# KiCad board dendy.kicad_pcb (continued)
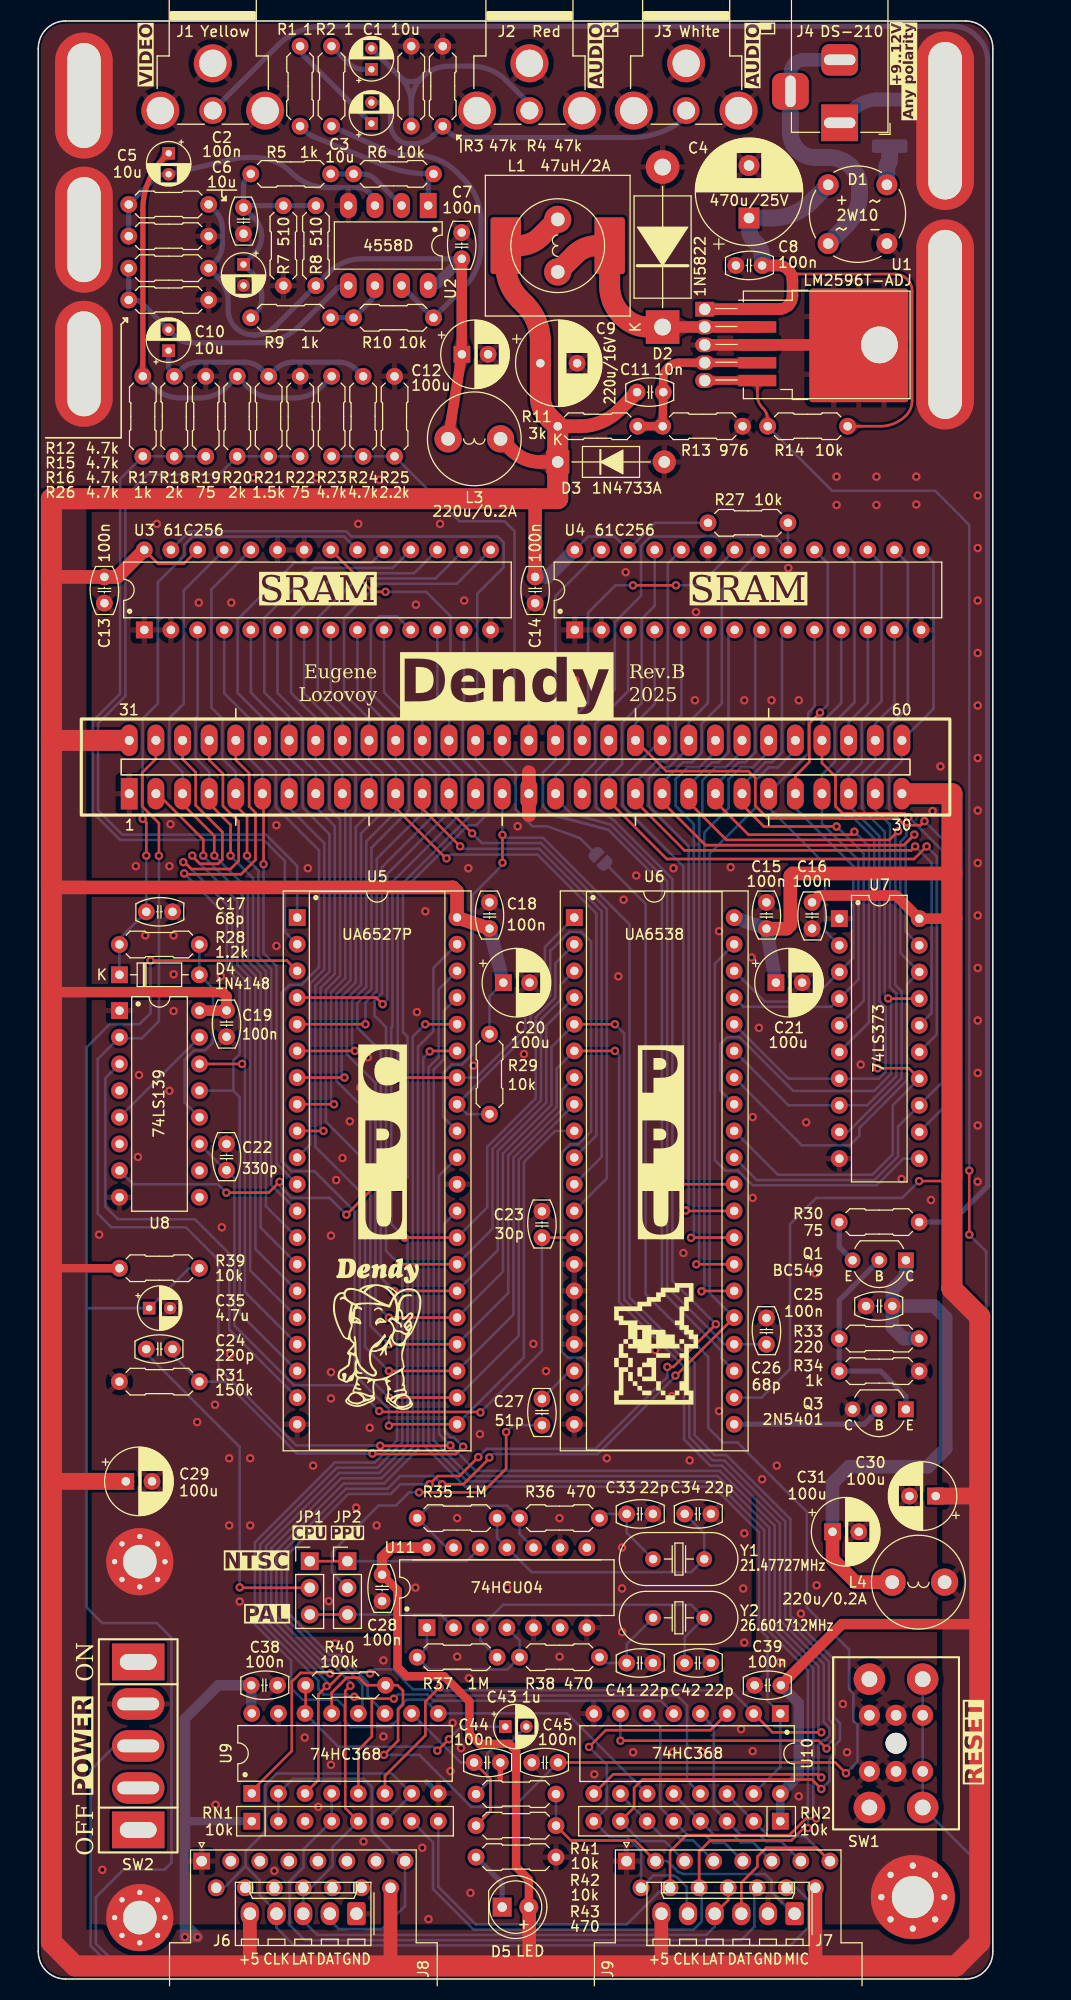
[diagram p0: board, top side]
## Nets
+5V: C9.1 C11.1 C13.2 C14.2 C15.2 C16.2 C18.2 C19.2 C20.1 C21.1 C28.2 C29.1 C30.1 C38.2 C39.2 D3.1 D5.2 J5.30 J5.31 J6.5 J7.6 J8.15 J9.15 L1.2 L2.2 L3.1 L4.1 R11.1 R27.1 R29.1 R39.1 RN1.1 RN2.1 U3.26 U3.28 U4.26 U4.28 U5.40 U6.22 U6.40 U7.20 U8.16 U9.16 U10.16 U11.14
+5VA_1: C7.2 C12.1 L3.2 R8.1 R12.1 R16.1 U2.8
+5VA_2: C25.2 C31.1 L4.2 Q1.1 R33.2
GND: C2.1 C4.2 C6.2 C7.1 C8.2 C9.2 C12.2 C13.1 C14.1 C15.1 C16.1 C17.1 C18.1 C19.1 C20.2 C21.2 C22.1 C23.1 C25.1 C26.1 C28.1 C29.2 C30.2 C31.2 C33.1 C34.1 C35.2 C38.1 C39.1 C41.1 C42.1 C44.1 C45.1 D1.1 D2.2 D3.2 HOLE1.1 HOLE2.1 HOLE3.1 HOLE4.1 HOLE5.1 HOLE6.1 HOLE7.1 HOLE8.1 J1.2 J2.2 J3.2 J5.1 J5.16 J6.1 J7.2 J8.1 J9.1 Q3.3 R3.2 R4.2 R7.2 R13.1 R15.2 R19.2 R22.2 R25.2 R26.2 R31.1 R34.1 R43.2 SW1.1 SW2.1 U1.3 U2.4 U3.1 U3.2 U3.14 U3.22 U3.23 U4.1 U4.2 U4.14 U4.23 U5.20 U5.30 U6.14 U6.15 U6.16 U6.17 U6.20 U7.1 U7.10 U8.1 U8.8 U9.8 U9.15 U10.8 U11.5 U11.7 U11.9
/A0: J5.13 U3.21 U5.4 U6.12
/A1: J5.12 U3.10 U5.5 U6.11
/A2: J5.11 U3.9 U5.6 U6.10
/A3: J5.10 U3.8 U5.7
/A4: J5.9 U3.7 U5.8
/A5: J5.8 U3.6 U5.9
/A6: J5.7 U3.5 U5.10
/A7: J5.6 U3.4 U5.11
/A8: J5.5 U3.24 U5.12
/A9: J5.4 U3.3 U5.13
/A10: J5.3 U3.25 U5.14
/A11: J5.2 U5.15
/A12: J5.33 U5.16
/A13: J5.34 U5.17 U8.14
/A14: J5.35 U5.18 U8.13
/A15: U5.19 U8.3
/CLK21: JP1.1 JP2.1 U11.12
/CLK26: JP1.3 JP2.3 U11.2
/COMPOSITE: J1.1 R30.1
/CPUCLK: C24.2 R31.2 U5.29
/D0: J5.43 U3.13 U5.28 U6.2 U9.3 U10.13
/D1: J5.42 U3.12 U5.27 U6.3 U9.5 U10.5
/D2: J5.41 U3.11 U5.26 U6.4 U9.9 U10.11
/D3: J5.40 U3.15 U5.25 U6.5 U10.7
/D4: J5.39 U3.16 U5.24 U6.6 U10.9
/D5: J5.38 U3.17 U5.23 U6.7
/D6: J5.37 U3.18 U5.22 U6.8
/D7: J5.36 U3.19 U5.21 U6.9
/J1CLK: J6.4 J8.9 J9.14 RN1.6 U9.7
/J1D0: J6.2 J8.8 RN1.2 U9.2
/J1D1: J9.13 RN1.4 U9.4
/J2CLK: J7.5 J9.9 RN2.8 U10.3
/J2D0: J7.3 J9.8 RN2.2 U10.14
/J2D1: J9.7 RN2.3 U10.4
/J2D2: J9.6 RN2.4 U10.12
/J2D3: J9.5 RN2.5 U10.6
/J2D4: J9.4 RN2.6 U10.10
/J2MIC: J7.1 J9.2 R41.1 R42.1
/M2: J5.32 U5.31 U8.2 U9.6 U10.2
/NPA13: J5.49 U9.11
/OUT0: J6.3 J7.4 J8.12 J9.12 RN1.5 U5.39
/OUT1: J9.11 RN1.7 U5.38
/OUT2: J9.10 RN1.8 U5.37
/PA0: J5.25 U4.10 U7.2
/PA1: J5.24 U4.9 U7.5
/PA2: J5.23 U4.8 U7.6
/PA3: J5.22 U4.7 U7.9
/PA4: J5.21 U4.21 U7.19
/PA5: J5.20 U4.5 U7.16
/PA6: J5.19 U4.25 U7.15
/PA7: J5.50 U4.4 U7.12
/PA8: J5.51 U4.24 U6.30
/PA9: J5.52 U4.6 U6.29
/PA10: J5.53 U6.28
/PA11: J5.54 U6.27
/PA12: J5.55 U6.26
/PA13: J5.56 U6.25 U9.12
/PAD0: J5.26 U4.19 U6.38 U7.3
/PAD1: J5.27 U4.18 U6.37 U7.4
/PAD2: J5.28 U4.17 U6.36 U7.7
/PAD3: J5.29 U4.16 U6.35 U7.8
/PAD4: J5.60 U4.15 U6.34 U7.18
/PAD5: J5.59 U4.13 U6.33 U7.17
/PAD6: J5.58 U4.12 U6.32 U7.14
/PAD7: J5.57 U4.11 U6.31 U7.13
/PPUCLK: C27.2 U6.18
/R/~{W}: J5.14 U3.27 U5.34 U6.1
/SND1: R20.2 R21.2 R22.1 U5.1
/SND2: R17.2 R18.2 R19.1 U5.2
/SND_I: J5.45 JP3.1
/SND_L: C3.2 J3.1 R4.1
/SND_O: J5.46 R23.2 R24.2 R25.1
/SND_R: C1.2 J2.1 R3.1
/VA10: J5.18 U4.3
/VOUT: Q3.2 U6.21
/~{IRQ}: J5.15 J9.3 RN2.7 U5.32
/~{NMI}: R29.2 U5.33 U6.19
/~{OE1}: U5.36 U9.1
/~{OE2}: U5.35 U10.1 U10.15
/~{PPUSEL}: C22.2 C23.2 U6.13 U8.11
/~{PRD}: C26.2 J5.17 U4.22 U6.24
/~{PWR}: J5.47 U4.27 U6.23
/~{RAMSEL}: C17.2 D4.1 R28.1 U3.20
/~{RESET}: C35.1 R39.2 SW1.2 U5.3
/~{ROMSEL}: J5.44 U8.7
/~{VRAMCS}: J5.48 R27.2 U4.20
Net-(C1-Pad1): C1.1 R2.1
Net-(C2-Pad2): C2.2 C6.1 R5.2 R7.1 R8.2 R9.2
Net-(C3-Pad1): C3.1 R1.1
Net-(C5-Pad1): C5.1 R17.1 R20.1 R23.1
Net-(C10-Pad1): C10.1 R18.1 R21.1 R24.1
Net-(C33-Pad2): C33.2 R36.2 Y1.2
Net-(C34-Pad2): C34.2 R35.1 U11.11 Y1.1
Net-(C41-Pad2): C41.2 R38.1 Y2.2
Net-(C42-Pad2): C42.2 R37.2 U11.3 Y2.1
Net-(C43-Pad2): C43.2 R41.2
Net-(D1-+): C4.1 C8.1 D1.3 R14.2 U1.1
Net-(D1-Pad2): D1.2 F1.2
Net-(D1-Pad4): D1.4 J4.2 J4.3
Net-(D2-K): D2.1 L1.1 L2.1 U1.2
Net-(D4-A): D4.2 R28.2 U8.12
Net-(D5-K): D5.1 R43.1
Net-(F1-Pad1): F1.1 J4.1
Net-(JP1-C): C24.1 JP1.2
Net-(JP2-C): C27.1 JP2.2
Net-(JP3-B): C45.2 JP3.2 R40.1 U9.13
Net-(Q1-B): Q1.2 Q3.1 R33.1 R34.2
Net-(Q1-E): Q1.3 R30.2
Net-(R1-Pad2): R1.2 R6.1 U2.1
Net-(R10-Pad1): R2.2 R10.1 U2.7
Net-(R35-Pad2): R35.2 R36.1 U11.10 U11.13
Net-(R37-Pad1): R37.1 R38.2 U11.1 U11.4
Net-(SW2-B): R14.1 SW2.2 U1.5
Net-(U1-FB): C11.2 R11.2 R13.2 U1.4
Net-(U2A-+): C5.2 R12.2 R15.1 U2.3
Net-(U2A--): R5.1 R6.2 U2.2
Net-(U2B-+): C10.2 R16.2 R26.1 U2.5
Net-(U2B--): R9.1 R10.2 U2.6
Net-(U6-ALE): U6.39 U7.11
Net-(U8A-O1): U8.5 U8.15
Net-(U9-I4): C44.2 R42.2 U9.10
Net-(U9-I6): C43.1 R40.2 U9.14

Pads without a net: J8 2 3 4 5 6 7 10 11 13 14; RN1 3; SW2 3; U8 4 6 9 10; U11 6 8

## Via types
v1: diameter 0.8, hole 0.4, Top to Bottom, 253 vias

## Routing (per net, layer and track width the routed paths; a pad name or vN(x,y) marks a point on that pad's centre or on a via; arc(x,y) is an arc through that point)
+5V: length 818.6
  Top w0.25: v1(83.96,76) 86.6,76 87.1,76.5 ; U3.28 11.42,134.8 13.86,134.8 U3.26
  Top w0.8: C28.2 34.25,37.03 34.25,29.7 35.11,28.84 38.7,28.84 41.1,26.43 41.1,23.35 42.05,22.4 44.9,22.4 45.55,21.75 45.55,10.67 46.77,9.46 D5.2 ; 46.77,1.28 46.8,1.25 ; 1.25,67.7 R39.1
  Top w1: 59.4,1.35 59.5,1.25 ; 87.1,101 U7.20 81.78,103.2 74.41,103.2 C16.2 ; U8.16 17.93,92.24 ; C28.2 32.78,40.18 33.69,41.09 U11.14 ; C39.2 76.61,33.8 89.75,33.8 ; 1.25,94 17.54,94 17.94,93.6 C19.2
  Top w1.3: R11.1 51.67,147.9 arc(53.67,148.3) 55.35,149.42 C11.1 ; 33.83,1.31 33.83,1.32 ; L3.1 45.16,145.6 arc(46.38,144.79) 47.82,144.5 D3.1 ; J8.15 33.58,1.31 ; C14.2 47.36,140.94 47.3,141 ; D5.2 46.8,6.81 46.8,1.25 ; C18.2 U5.40 39.92,103.58 39.53,103.98 1.27,103.98 1.25,104 ; 1.25,133.55 C13.2 7.53,133.55 U3.28 ; C15.2 71.35,100.05 71.7,100.4 71.7,105.1 71.9,105.3 87,105.3 87.1,105.4 ; J9.15 74.08,1.28 ; 74.34,1.28 74.3,1.25 ; J7.6 59.4,1.35 ; J6.5 20.17,1.32
  Top w1.6: 1.25,46.9 1.75,47.4 C29.1 ; C30.1 89.75,46
  Top w2: L2.2 47.88,165.97 arc(46.92,165.33) 45.79,165.1 arc(44.93,164.74) 44.57,163.88 44.57,163.22 arc(44.91,161.48) 45.9,160 46.4,159.5 arc(47.48,157.88) 47.86,155.97 C9.1 47.86,150.72 arc(48.08,149.64) 48.69,148.73 R11.1 D3.1 49.52,141.02 49.5,141 1.25,141 1.25,3.5 3.5,1.25 87.5,1.25 89.75,3.5 89.75,63.1 87.1,65.75 87.1,112.9 82.6,112.9 ; 1.25,117.98 8.45,117.98
  Bottom w0.25: C20.1 43.01,93.58 R29.1 ; 66.34,55.38 68.94,55.38 71.66,58.1 71.66,71.9 74.16,74.4 82.36,74.4 v1(83.96,76) ; U4.28 52.42,137.4 54.94,137.4 U4.26 58.8,138.7 R27.1
  Bottom w0.8: RN1.1 14.05,15.03 14.03,15.05 ; U10.16 RN2.1
  Bottom w1: 13.98,5.2 13.98,24.8 17.16,27.98 C38.2 20.3,25.57 20.35,25.52 ; 13.98,5.2 v1(13.98,4) v1(15.18,4) 13.98,5.2 ; 17.93,92.24 C19.2 ; C39.2 72.5,26.27 72.5,19.37 70.79,17.66
  Bottom w1.3: C21.1 C15.2 66.34,101.1 ; U4.28 48.57,133.55 C14.2 ; C18.2 C20.1
+5VA_1: length 59.3
  Top w1: 40.36,154.78 C7.2 ; 40.38,154.74 L3.2
  Bottom w0.5: R12.1 16.89,168.38 arc(17.37,167.66) 17.54,166.81 17.54,165.17 arc(17.37,164.32) 16.89,163.6 R16.1 17.17,162.02 arc(17.86,160.99) 18.1,159.78 18.1,158.99 arc(18.28,158.08) 18.8,157.3 arc(19.58,156.78) 20.49,156.6 20.64,156.6 arc(21.69,156.81) 22.58,157.4 R8.1 27.74,162.57 arc(29.16,163.52) 30.83,163.85 C7.2
  Bottom w1: U2.8 37.5,161.31 arc(37.8,161.36) 38.05,161.53 C7.2
+5VA_2: length 53.9
  Top w1.3: C31.1 75.72,39.98 77.9,37.8 L4.2
  Bottom w1.3: C25.2 85.4,64.1 86.5,63 86.5,50.5 84.8,48.8 77.3,48.8 75.72,47.22 C31.1 ; C25.2 81.41,65.66 82.7,66.95 Q1.1 ; C25.2 81.41,62.09 82.5,61 R33.2
GND: length 23.9
  Top w0.5: C44.1 44.05,19.06
  Top w1.1: U1.3 U1.3
  Top w1.3: 46.77,110.85 J5.16 46.77,114.95
  Bottom w0.25: 17.93,79.54 17.94,79.55
  Bottom w0.5: U9.8 37,18.81
  vias: v1(5.8,70.9) v1(6.1,10.4) v1(9.3,106) v1(9.5,78.3) v1(9.6,86.1) v1(10.2,99.4) v1(11.3,138.6) v1(12.5,106) v1(12.5,84.6) v1(12.6,110) v1(12.9,99.4) v1(12.9,95.7) v1(12.9,92.2) v1(15.15,53.05) v1(15.3,131.1) v1(16.85,54.7) v1(16.9,16.6) v1(17.4,95.5) v1(17.5,71.6) v1(18.2,49.6) v1(18.2,43.2) v1(18.3,59.5) v1(18.4,131.1) v1(19.2,35.95) v1(20.2,49.6) v1(20.2,43.2) v1(20.5,143) v1(22.5,10.3) v1(22.7,109.9) v1(22.7,98.4) v1(25.4,23) v1(25.7,105.8) v1(26.2,48.9) v1(26.5,143) v1(26.7,16.4) v1(27.7,36) v1(27.9,70.8) v1(27.9,57.8) v1(27.9,55.3) v1(27.9,20.4) v1(28.3,31.95) v1(28.4,76.1) v1(29,78.2) v1(29.7,81.7) v1(30.3,44.9) v1(30.5,138.6) v1(30.7,84.9) v1(31,13.1) v1(31.4,87.8) v1(31.6,52.5) v1(32.25,43.2) v1(32.5,142.8) v1(32.9,30.35) v1(32.9,23.1) v1(35.9,121.3) v1(35.95,37.28) v1(36,130.9) v1(36.1,92.1) v1(36.6,12.5) v1(36.9,101.7) v1(37.2,5.7) v1(38.3,138.6) v1(39.3,19.8) v1(39.5,24.4) v1(39.93,43.9) v1(39.93,30.7) v1(40.3,22) v1(40.6,131.3) v1(41,105.8) v1(41.05,28.65) v1(41.2,8.2) v1(41.5,87) v1(42.1,51.9) v1(43.3,121) v1(44.7,37.28) v1(45.7,109.8) v1(46.3,88.1) v1(47.2,60.5) v1(47.9,121) v1(48.4,57.9) v1(49.69,43.9) v1(49.69,30.7) v1(51.2,123.7) v1(53,19.5) v1(54.2,49.6) v1(55.3,95.5) v1(55.65,41.1) v1(55.65,37.2) v1(55.65,33.05) v1(55.8,102.8) v1(56,134) v1(56.7,21.6) v1(57,105.1) v1(58.8,59.9) v1(60.4,55.5) v1(60.55,105.8) v1(60.5,21.6) v1(61.5,69.15) v1(62.1,49.4) v1(62.6,121.8) v1(62.7,130.2) v1(63.3,21.6) v1(64.9,99.8) v1(64.9,54.1) v1(66,105.9) v1(67,23.8) v1(67.2,37.2) v1(67.3,121.8) v1(67.3,42.45) v1(67.3,32.05) v1(68,97.3) v1(68.1,82.1) v1(68.1,74.4) v1(68.1,21.7) v1(68.7,90.6) v1(69,47.6) v1(69.9,121.8) v1(70.4,48.9) v1(70.7,30.2) v1(71.5,134.4) v1(72.5,121.8) v1(72.5,17.4) v1(72.7,34.8) v1(73.2,81.6) v1(74.1,67.2) v1(74.2,37.5) v1(76.1,143.1) v1(76.1,140.4) v1(76.7,26.2) v1(77.1,21.6) v1(78.4,87.1) v1(79.9,143.1) v1(79.9,140.4) v1(82.3,76.2) v1(83.7,143.1) v1(83.7,140.45) v1(85.1,74.2) v1(85.25,111.25) v1(86,115.5) v1(89.56,141.3) v1(89.56,136.3) v1(89.56,131.3) v1(89.56,126.3) v1(89.56,121.3) v1(89.56,116.3) v1(89.56,111.3) v1(89.56,106.3) v1(89.56,101.3) v1(89.56,96.3) v1(89.56,91.3) v1(89.56,86.3) v1(89.56,81.3) v1(89.55,75.95)
/A0: length 113.7
  Top w0.25: v1(32.82,92.85) 32.19,93.48 U5.4 ; v1(33.1,132.13) 31.88,132.13 U3.21 ; J5.13 39.15,111.34 v1(41.36,109.13)
  Bottom w0.25: U6.12 54.2,76.26 54.2,101.91 47.91,108.2 42.29,108.2 v1(41.36,109.13) ; v1(33.1,132.13) 36.97,132.13 39.3,129.8 39.3,121.5 37.9,120.1 37.9,116.2 39.15,114.95 39.15,111.14 33.26,105.25 33.26,93.29 v1(32.82,92.85)
/A1: length 97.5
  Top w0.25: v1(31.19,90.94) U5.5 ; J5.12 36.61,111.49 v1(40.21,107.89)
  Bottom w0.25: v1(31.19,90.94) 31.19,93.02 32.26,94.1 32.26,106.7 36.61,111.05 36.61,114.94 35.35,116.2 35.35,120.15 32.96,122.54 U3.10 ; v1(40.21,107.89) 40.45,107.65 47.76,107.65 53.7,101.71 53.7,78.3 U6.11
/A2: length 98
  Top w0.25: J5.11 34.07,111.53 38.85,106.75 v1(38.92,106.75) ; v1(30.19,88.4) U5.6
  Bottom w0.25: U3.9 30.42,122.48 32.8,120.1 32.8,116.2 34.07,114.93 34.07,111.16 31.26,108.35 31.26,94.51 29.91,93.16 29.91,88.67 v1(30.19,88.4) ; v1(38.92,106.75) 39.27,107.1 47.6,107.1 53.2,101.5 53.2,80.34 U6.10
/A3: length 50
  Top w0.25: v1(29.19,85.86) U5.7
  Bottom w0.25: U3.8 27.88,122.52 30.3,120.1 30.3,116.1 31.76,114.64 31.76,111.21 30.26,109.72 30.26,94.92 28.91,93.57 28.91,86.13 v1(29.19,85.86)
/A4: length 51
  Top w0.25: v1(28.19,83.32) U5.8
  Bottom w0.25: v1(28.19,83.32) 27.91,83.59 27.91,93.99 29.26,95.34 29.26,112.68 28.99,112.95 28.99,114.95 27.72,116.22 27.72,120.08 25.34,122.46 U3.7
/A5: length 53.2
  Top w0.25: v1(27.19,80.78) U5.9
  Bottom w0.25: v1(27.19,80.78) 26.91,81.05 26.91,94.4 28.26,95.75 28.26,109.8 26.45,111.62 26.45,114.95 25.2,116.2 25.2,120.1 22.8,122.5 U3.6
/A6: length 54.2
  Bottom w0.25: U3.5 20.26,122.54 22.7,120.1 22.7,116.28 23.91,115.07 23.91,111.55 27.26,108.19 27.26,96.17 25.91,94.82 25.91,79.47 U5.10
/A7: length 55.7
  Top w0.25: v1(21.47,106.19) 21.47,112.85 21.37,112.95
  Bottom w0.25: U3.4 17.72,122.48 20.1,120.1 20.1,116.27 21.37,115 21.37,112.95 ; v1(21.47,106.19) 21.47,97.73 22.71,96.49 22.71,77.67 U5.11
/A8: length 67.9
  Top w0.25: v1(19.9,107) 19.9,110.7 18.83,111.77 J5.5
  Bottom w0.25: U5.12 22.2,75.64 22.2,96.19 20.97,97.42 20.97,105.59 19.9,106.67 v1(19.9,107) ; 18.83,112.95 18.83,114.96 17.55,116.24 17.55,120.05 16.5,121.1 16.5,132.36 U3.24
/A9: length 61.9
  Top w0.25: J5.4 16.29,111.97 18.33,109.94 v1(18.33,107)
  Bottom w0.25: v1(18.33,107) 20.47,104.85 20.47,97.21 21.7,95.99 21.7,73.6 U5.13 ; 16.29,112.95 16.29,115.01 15,116.3 15,120.1 15.18,120.28 U3.3
/A10: length 75.2
  Top w0.25: v1(16.78,107) 16.78,108.89 13.75,111.91 J5.3
  Bottom w0.25: U5.14 21.2,71.56 21.2,95.78 19.97,97.01 19.97,103.8 v1(16.78,107) ; J5.3 13.75,114.95 12.5,116.2 12.5,120.1 13.86,121.46 13.86,132.26 U3.25
/A11: length 53
  Top w0.25: v1(15.73,107) 15.73,108.54 11.36,112.9 J5.2
  Bottom w0.25: U5.15 20.7,69.52 20.7,95.57 19.47,96.8 19.47,103.21 15.73,106.95 v1(15.73,107)
/A12: length 64.5
  Top w0.25: J5.33 13.75,116.2 15,114.95 15,111.8 17.55,109.25 17.55,106.63 17.14,106.23 15.41,106.23 14.68,106.95 v1(14.68,107)
  Bottom w0.25: U5.16 20.2,67.48 20.2,95.37 18.97,96.59 18.97,102.66 14.68,106.95 v1(14.68,107)
/A13: length 73.3
  Top w0.25: U8.14 v1(19.43,87.16) ; v1(13.83,106.38) 13.92,106.38 14.58,105.73 18.33,105.73 19.1,106.5 19.1,110.24 17.6,111.74 17.6,114.8 16.29,116.11 J5.34
  Bottom w0.25: v1(13.83,106.38) 13.92,106.38 18.47,101.83 18.47,96.38 19.7,95.16 19.7,87.43 v1(19.43,87.16) 19.7,86.89 19.7,65.44 U5.17
/A14: length 75.1
  Top w0.25: v1(13.91,105.31) 13.99,105.23 19.33,105.23 20.7,106.6 20.7,111.1 20.1,111.7 20.1,114.85 18.83,116.12 J5.35
  Bottom w0.25: 18.6,84.6 18.6,87.5 19.2,88.1 19.2,94.95 17.97,96.18 17.97,101.23 13.91,105.3 v1(13.91,105.31) ; 18.6,84.6 19.2,84 19.2,63.4 U5.18 ; 18.6,84.6 18.58,84.62 U8.13
/A15: length 44.2
  Bottom w0.25: U5.19 18.2,61.86 18.2,69.1 14.93,72.37 7.6,72.37 6.4,73.57 6.4,85.82 U8.3
/CLK21: length 16.8
  Top w0.25: JP1.1 JP2.1
  Bottom w0.25: U11.12 40.84,39.8 JP2.1
/CLK26: length 14.2
  Top w0.25: JP1.3 JP2.3
  Bottom w0.25: U11.2 38.33,34.72 JP2.3
/COMPOSITE: length 193.9
  Bottom w0.5: R30.1 87.07,72.1 90.5,75.53 90.5,182.75 arc(90.27,183.9) 89.62,184.87 89.37,185.12 arc(88.4,185.77) 87.25,186 27.14,186 arc(24.85,185.54) 22.91,184.25 J1.1
/CPUCLK: length 56.3
  Top w0.25: v1(40.5,50.7) 39.8,50 31.9,50 v1(31.85,50.05)
  Bottom w0.25: U5.29 38.7,71.94 38.7,52.2 39.3,51.6 39.6,51.6 v1(40.5,50.7) ; v1(31.85,50.05) 24.65,50.05 17.8,56.9 R31.2 12.79,59.46 C24.2
/D0: length 209
  Top w0.25: v1(31.63,29.11) 31.53,29.2 29.03,29.2 27.73,27.9 v1(27.5,27.9) 26.7,27.1 26.7,18.95 U9.3 ; v1(34.93,70.62) U5.28
  Bottom w0.25: U6.2 49.3,96.76 49.3,93.48 47.42,91.61 47.42,83.89 42.8,79.26 42.8,73.5 U5.28 ; v1(31.63,29.11) 32.02,29.5 33.8,29.5 35.7,27.6 37.35,27.6 37.95,27 60.9,27 61.85,26.05 61.85,18.93 U10.13 ; U3.13 40.58,121.48 39.15,120.05 39.15,116.2 40.4,114.95 40.4,111.14 33.76,104.5 33.76,90.71 33.65,90.6 33.65,71.9 v1(34.93,70.62) 35.2,70.35 35.2,50.89 32.51,48.2 28.68,48.2 21.7,41.22 21.7,34.14 22.64,33.19 27.5,28.34
/D1: length 198.5
  Top w0.25: U9.5 30.51,21.81 31.8,23.1 31.8,26.7 ; 31.8,26.7 v1(33.9,26.7) ; 31.8,26.7 30.31,26.7 v1(30.13,26.88) ; v1(34.43,68.08) U5.27
  Bottom w0.25: U3.12 38.04,121.52 36.61,120.09 36.61,116.09 37.9,114.8 37.9,111.04 32.76,105.9 32.76,93.89 32.05,93.17 32.05,91.75 33.15,90.65 33.15,69.36 v1(34.43,68.08) 34.7,67.81 34.7,51.09 32.31,48.7 28.47,48.7 21.15,41.38 21.15,33.98 26.7,28.43 26.7,27.6 27.2,27.1 29.43,27.1 29.65,26.88 v1(30.13,26.88) ; U5.27 43.3,71.46 43.3,79.06 47.92,83.68 47.92,91.4 49.8,93.28 49.8,94.72 U6.3 ; U10.5 59.36,26.5 37.7,26.5 37.1,27.1 34.3,27.1 v1(33.9,26.7)
/D2: length 200.6
  Top w0.25: v1(33.93,65.54) U5.26
  Bottom w0.25: U3.11 34.2,129.8 32.5,129.8 31.7,129 31.7,122.5 34.07,120.13 34.07,116.23 35.35,114.95 35.35,111.34 31.76,107.75 31.76,94.3 30.41,92.95 30.41,90.62 32.65,88.38 32.65,66.81 v1(33.93,65.54) 34.2,65.27 34.2,51.3 32.1,49.2 28.26,49.2 20.65,41.59 20.65,33.77 24.1,30.32 24.1,27.71 25.21,26.6 28.5,26.6 29.2,25.9 29.2,24.6 29.8,24 33.6,24 34.3,24.7 34.3,25.8 35.1,26.6 36.83,26.6 U9.9 50.4,25.3 U10.11 ; U6.4 48.42,90.81 48.42,83.47 43.8,78.85 43.8,69.42 U5.26
/D3: length 232
  Top w0.25: v1(75.15,21.95) 74.4,22.7 v1(55.5,22.7) ; v1(54.97,90.94) U6.5 ; v1(33.43,63) U5.25
  Bottom w0.25: v1(75.15,21.95) 75.15,22.18 75.92,22.96 75.92,24.15 75.38,24.7 75.38,30.22 71.2,34.39 71.2,43.59 65.39,49.4 64.27,49.4 62.06,51.61 62.06,58.51 55.86,64.71 55.86,90.05 v1(54.97,90.94) ; U5.25 44.3,67.38 44.3,78.64 48.92,83.27 48.92,88.77 U6.5 ; v1(55.5,22.7) U10.7 ; v1(33.43,63) 32.15,64.28 32.15,85.34 29.41,88.08 29.41,93.37 30.76,94.72 30.76,109.1 32.8,111.14 32.8,114.85 31.53,116.12 31.53,120.07 29.15,122.45 29.15,129.65 32.4,132.9 39.9,132.9 U3.15
/D4: length 234.6
  Top w0.25: U10.9 54.8,19.5 74.34,19.5 v1(74.65,19.2) ; U6.6 v1(54.97,88.4) ; v1(33.43,60.46) U5.24
  Bottom w0.25: U6.6 49.42,86.73 49.42,83.06 44.8,78.44 44.8,65.34 U5.24 ; v1(54.97,88.4) 55.36,88.01 55.36,64.5 61.56,58.3 61.56,51.4 64.06,48.9 65.19,48.9 70.7,43.39 70.7,34.19 74.88,30.01 74.88,24.49 75.42,23.94 75.42,23.18 74.97,22.73 74.8,22.73 74.38,22.3 74.38,19.47 v1(74.65,19.2) ; U3.16 37.86,133.4 30.4,133.4 26.65,129.65 26.65,122.45 28.99,120.11 28.99,116.11 30.25,114.85 30.25,111.18 29.76,110.7 29.76,95.13 28.41,93.78 28.41,85.54 31.65,82.3 31.65,62.24 v1(33.43,60.46)
/D5: length 132.4
  Top w0.25: v1(33.43,57.92) U5.23
  Bottom w0.25: U3.17 35.82,133.9 28.4,133.9 24.1,129.6 24.1,122.5 26.45,120.15 26.45,116.15 27.75,114.85 27.75,111.47 28.76,110.46 28.76,95.55 27.41,94.2 27.41,81.65 31.15,77.91 31.15,60.2 v1(33.43,57.92) ; U5.23 45.3,63.3 45.3,78.23 49.92,82.85 49.92,84.69 U6.7
/D6: length 136
  Top w0.25: v1(33.43,55.38) U5.22
  Bottom w0.25: U6.8 45.8,78.02 45.8,61.26 U5.22 ; U3.18 33.78,134.4 26.3,134.4 21.55,129.65 21.55,122.55 23.91,120.19 23.91,116.34 25.2,115.05 25.2,111.6 27.76,109.04 27.76,95.96 26.41,94.61 26.41,79.27 30.65,75.03 30.65,58.16 v1(33.43,55.38)
/D7: length 144.6
  Top w0.25: v1(33.43,52.7) 33.57,52.84 U5.21
  Bottom w0.25: U3.19 31.74,134.9 24.4,134.9 19,129.5 19,122.5 21.37,120.13 21.37,116.33 22.65,115.05 22.65,111.61 26.76,107.5 26.76,96.37 25.09,94.7 23.96,94.7 23.21,93.94 23.21,77.88 24.14,76.95 26.31,76.95 30.15,73.11 30.15,57.55 33.43,54.27 v1(33.43,52.7) ; U5.21 46.3,59.22 46.3,77.81 49.27,80.78 U6.9
/J1CLK: length 95.4
  Bottom w0.25: 19.76,10.74 17.71,8.69 J8.9 ; 19.76,10.74 19.76,12.16 21.65,14.05 21.65,18.5 22.72,19.58 33.69,19.58 U9.7 35.59,17.57 33.07,15.05 33.05,15.05 ; 19.76,10.74 21.1,9.4 21.1,8.01 22.71,6.4 22.71,4.89 24.4,3.2 71.7,3.2 73.4,4.9 73.4,7.54 72.25,8.69 J9.14
/J1D0: length 34.3
  Bottom w0.25: J6.2 27.79,5.61 28.65,4.75 32.75,4.75 34.97,6.97 J8.8 34.1,12.09 34.1,12.1 33.8,12.1 31.8,14.1 31.8,18.3 31.03,19.08 24.28,19.08 U9.2 22.89,15.05
/J1D1: length 63.5
  Bottom w0.25: U9.4 27.97,15.05 25.28,12.36 25.28,10.63 23.95,9.31 23.95,5.15 25.4,3.7 67,3.7 68.27,4.97 68.27,8.42 J9.13
/J2CLK: length 40.1
  Top w0.25: v1(52.5,22.1) 54.1,23.7 64.08,23.7 U10.3
  Bottom w0.25: 61.7,6.46 J7.5 61.83,6.34 61.83,8.76 60.89,9.69 60.5,9.87 58.64,9.87 J9.9 57.46,12.19 56.1,13.55 54.44,13.55 RN2.8 54.2,16.27 54.2,20.4 v1(52.5,22.1)
/J2D0: length 26.4
  Top w0.25: J9.8 74.19,12.5 69.4,12.5 68.55,11.65 68.55,10.71 67.02,9.18 J7.3
  Bottom w0.25: U10.14 65.66,17.57 RN2.2 69.63,13.6 73.09,13.6 J9.8
/J2D1: length 19.9
  Bottom w0.25: U10.4 64.4,24 64.4,16.29 RN2.3 66.99,13.7 68.8,13.7 69.4,13.1 70.82,13.1 J9.7
/J2D2: length 12.1
  Bottom w0.25: J9.6 68.16,13 66.98,13 66.28,13.7 64.45,13.7 RN2.4 60.58,17.57 U10.12
/J2D3: length 19.5
  Bottom w0.25: J9.5 65.42,12.97 64.33,12.97 63.6,13.7 61.91,13.7 RN2.5 59.3,16.31 59.3,24.02 U10.6
/J2D4: length 11.6
  Bottom w0.25: U10.10 55.5,17.57 RN2.6 59.44,13.64 60.86,13.64 61.3,13.2 62.42,13.2 J9.4
/J2MIC: length 29.8
  Top w0.25: R42.1 50.76,13.2 56.88,13.2 J9.2
  Bottom w0.25: J9.2 59.95,11.23 60.99,10.19 61.5,10 69.3,10 69.9,9.4 69.9,8.3 71.98,6.22 J7.1 ; R41.1 R42.1
/M2: length 233.5
  Top w0.25: v1(38.26,27.79) 36.9,26.43 36.9,23.2 33.05,19.35 U9.6 ; v1(39.28,50.82) 39.25,50.79 v1(32.59,50.79) ; v1(74.65,23.5) 69.98,23.5 U10.2 ; v1(11.5,106.99) 11.5,110.1 9.9,111.7 9.9,114.9 11.21,116.21 J5.32
  Bottom w0.25: v1(32.59,50.79) 32.21,50.79 32.17,50.82 24.58,50.82 17.16,58.24 17.16,68.5 14.06,71.6 6.96,71.6 5.66,72.9 5.66,87.62 U8.2 7.84,89.6 9.86,89.6 11.5,91.24 v1(11.5,106.99) ; v1(74.65,23.5) 74.38,23.77 74.38,29.8 70.2,33.98 70.2,43.18 64.98,48.4 41.71,48.4 v1(39.28,50.82) 38.2,51.91 38.2,76.52 U5.31 ; v1(38.26,27.79) 38.55,27.5 65.98,27.5 U10.2
/NPA13: length 131.1
  Top w0.25: v1(41.94,49.71) 40.13,47.9 38.08,47.9 v1(37.3,47.12) ; v1(64.59,62.37) 60.53,58.3 v1(59.96,58.3)
  Bottom w0.25: U9.11 31.4,26.95 31.4,28.24 28.77,30.87 27.79,30.87 23.7,34.97 23.7,40.36 29.54,46.2 33.6,46.2 34.53,47.12 v1(37.3,47.12) ; v1(41.94,49.71) 42.73,50.5 53.11,50.5 59.96,57.35 v1(59.96,58.3) ; J5.49 54.39,116.23 53.15,114.99 53.15,111.6 54.86,110.36 60.45,104.78 60.45,66.51 v1(64.59,62.37)
/OUT0: length 153.5
  Top w0.25: J9.12 65.77,7.51 J7.4 ; v1(29.75,27.93) 29.26,27.45 29.26,16.28 RN1.5
  Bottom w0.25: U5.39 37.66,96.3 37.66,90.26 36.2,88.79 36.2,50.44 32.96,47.2 29.12,47.2 22.7,40.78 22.7,34.55 27.38,29.87 28.16,29.87 29.75,28.28 v1(29.75,27.93) ; 30.51,15.05 RN1.5 28.06,12.58 28.06,10.76 25.99,8.69 J8.12 25.27,7.92 25.25,7.9 J6.3 25.25,5.55 26.6,4.2 63.7,4.2 64.48,4.98 J7.4
/OUT1: length 164.6
  Top w0.25: v1(73.36,14.37) 72.98,14.37 71.8,13.2 64.06,13.2 63.08,12.22 ; 63.08,12.22 63,12.14 ; 63.08,12.22 63,12.14 ; 63,12.14 J9.11
  Bottom w0.25: v1(73.36,14.37) 73.38,14.38 73.38,29.39 69.2,33.56 69.2,42.76 64.56,47.4 40.89,47.4 37.2,51.09 37.2,86.84 38.16,87.8 38.16,94.26 U5.38 ; J9.11 63.23,8.46 63.23,5.48 62.46,4.7 41.5,4.7 37.63,8.57 37.63,13.01 35.59,15.05
/OUT2: length 158.1
  Top w0.25: v1(74.15,15.29) 73.18,15.29 71.59,13.7 61.76,13.7 60.23,12.17 J9.10
  Bottom w0.25: 38.13,15.05 38.13,8.78 41.71,5.2 56.1,5.2 59.59,8.69 J9.10 ; U5.37 38.66,92.22 38.66,87.59 37.7,86.63 37.7,51.3 41.1,47.9 64.77,47.9 69.7,42.97 69.7,33.77 73.88,29.6 73.88,15.57 v1(74.15,15.29)
/PA0: length 34.6
  Bottom w0.25: U4.10 74,121.2 73.4,120.6 73.4,116.72 69.63,112.95 69.63,111.57 75,106.2 75,99.82 U7.2
/PA1: length 49.7
  Top w0.25: v1(76.1,109.78) 69.17,109.78 67.09,111.86 J5.24
  Bottom w0.25: v1(76.1,109.78) 76.11,109.78 78.69,107.2 78.69,93.16 U7.5 ; U4.9 70.9,127.94 70.9,116.85 69.95,115.9 69.32,115.9 67.09,113.67 J5.24
/PA2: length 55.9
  Top w0.25: J5.23 64.55,112.15 67.7,109 77.52,109 v1(77.8,109.28)
  Bottom w0.25: U4.8 68.35,127.93 68.35,116.84 67.41,115.9 66.75,115.9 65.9,115.05 65.89,115.05 64.55,113.71 J5.23 ; v1(77.8,109.28) 77.81,109.28 79.19,107.89 79.19,91.12 U7.6
/PA3: length 72.3
  Top w0.25: v1(81.96,109.33) 81.14,108.5 65.6,108.5 62.01,112.09 J5.22
  Bottom w0.25: v1(81.96,109.33) 81.69,109.05 81.69,94.68 82.31,94.06 82.31,85.8 77.19,80.68 U7.9 ; U4.7 65.8,127.92 65.8,116.83 64.87,115.9 64.22,115.9 62.01,113.69 J5.22
/PA4: length 66
  Top w0.25: v1(83.51,109.01) 82.51,108 63.6,108 59.47,112.13 J5.21
  Bottom w0.25: U4.21 65.16,132.36 65.16,121.5 63.25,119.59 63.25,116.82 62.33,115.9 61.45,115.9 59.47,113.92 J5.21 ; v1(83.51,109.01) 83.51,108.94 82.69,108.12 82.69,99.76 U7.19
/PA5: length 66.1
  Top w0.25: v1(83.59,107.88) 83.21,107.5 61.6,107.5 56.93,112.17 J5.20
  Bottom w0.25: U7.16 85.16,92.02 85.16,106.31 v1(83.59,107.88) ; J5.20 56.93,113.98 58.93,115.98 59.91,115.98 60.75,116.82 60.75,119.84 61.3,120.39 U4.5 60.96,128.16
/PA6: length 79.5
  Top w0.25: v1(84.69,107.88) 83.49,106.68 59.92,106.68 54.39,112.21 J5.19
  Bottom w0.25: U7.15 85.66,89.98 85.66,106.91 v1(84.69,107.88) ; J5.19 54.39,114.44 55.65,115.7 55.65,119.65 57.51,121.51 57.51,129.55 58.76,130.8 U4.25
/PA7: length 75.5
  Top w0.25: v1(84.48,110.29) 84.09,109.9 82.56,109.9 81.95,110.52 76.45,110.52 76.42,110.55 69.55,110.55 68.35,111.75 68.35,114.4 67.7,115.05 59.86,115.05 J5.50
  Bottom w0.25: U4.4 58.76,121.45 56.93,119.62 J5.50 ; U7.12 86.66,83.36 86.66,108.11 v1(84.48,110.29)
/PA8: length 70.4
  Top w0.25: 66.34,75.7 61.24,75.7 v1(61.23,75.69)
  Bottom w0.25: U4.24 60.01,134.83 60.01,118.65 55.7,114.34 55.7,111.77 61.5,105.97 61.5,75.96 v1(61.23,75.69)
/PA9: length 64.5
  Top w0.25: v1(61.73,73.2) 61.77,73.16 66.34,73.16
  Bottom w0.25: U4.6 63.84,121.54 62.01,119.71 62.01,117.31 60.1,115.4 59.25,115.4 58.2,114.35 58.2,111.7 62,107.9 62,73.47 v1(61.73,73.2)
/PA10: length 54.6
  Top w0.25: v1(62.23,70.6) 62.25,70.62 66.34,70.62
  Bottom w0.25: J5.53 64.55,116.94 63.01,115.4 61.89,115.4 60.75,114.26 60.75,111.75 62.5,110 62.5,70.87 v1(62.23,70.6)
/PA11: length 55.9
  Top w0.25: v1(62.73,68.08) 66.34,68.08
  Bottom w0.25: v1(62.73,68.08) 63,68.35 63,110.7 63.3,111 63.3,114.16 64.54,115.4 65.54,115.4 65.69,115.55 65.69,115.55 67.09,116.95 J5.54
/PA12: length 58.9
  Top w0.25: v1(63.23,65.5) 63.27,65.54 66.34,65.54
  Bottom w0.25: J5.55 69.63,116.92 68.11,115.4 66.96,115.4 66.11,114.55 66.1,114.55 65.8,114.25 65.8,111.52 63.5,109.22 63.5,65.77 v1(63.23,65.5)
/PA13: length 132.2
  Top w0.25: 66.34,63 66.32,63 60.8,57.48 v1(60.74,57.48) ; v1(43,49.67) 43,49.59 40.53,47.12 v1(38.5,47.12)
  Bottom w0.25: v1(60.74,57.48) 60.74,57.42 53.32,50 43.33,50 v1(43,49.67) ; U9.12 30.9,25.69 30.9,28.04 28.56,30.37 27.59,30.37 23.2,34.76 23.2,40.57 29.33,46.7 33.3,46.7 34.5,47.9 37.72,47.9 v1(38.5,47.12) ; J5.56 72.17,117.06 70.51,115.4 69.62,115.4 68.4,114.18 68.4,111.58 64,107.18 64,65.34 66.34,63
/PAD0: length 57.2
  Top w0.25: J5.26 72.17,114.58 73.5,115.91 73.5,119.6 v1(74.52,120.62)
  Bottom w0.25: v1(74.52,120.62) 74.52,120.66 75.26,121.4 75.26,134.86 U4.19 ; J5.26 72.17,111.53 77.69,106.01 77.69,97.25 U7.3 73.54,93.1 69.26,93.1 66.34,96.02
/PAD1: length 57.5
  Bottom w0.25: U4.18 77.81,134.85 77.81,121.6 75.95,119.74 75.95,115.95 74.71,114.71 74.71,110.05 78.19,106.58 78.19,95.21 U7.4 75.58,92.6 67.22,92.6 66.34,93.48
/PAD2: length 69.9
  Bottom w0.25: U4.17 80.39,134.82 80.39,121.7 78.5,119.81 78.5,115.84 77.25,114.59 77.25,111.78 80.19,108.84 80.19,98.72 80.19,93.13 80.79,92.53 80.79,86.43 80.12,85.76 U7.7 71.52,85.76 66.34,90.94
/PAD3: length 71.5
  Bottom w0.25: U4.16 82.9,134.84 82.9,121.14 81.05,119.29 81.05,116.06 79.79,114.8 79.79,111.36 81.19,109.96 81.19,94.48 81.79,93.88 81.79,85.99 79.02,83.22 U7.8 71.52,83.22 66.34,88.4
/PAD4: length 77.1
  Bottom w0.25: U4.15 85.34,134.94 85.34,120.99 J5.60 82.33,116.04 81.1,114.81 81.1,111.42 82.74,109.78 82.74,108.87 82.19,108.32 82.19,97.72 U7.18 82.81,94.75 82.81,85.59 78.29,81.08 78.29,80.33 77.36,79.4 72.8,79.4 66.34,85.86
/PAD5: length 73.3
  Top w0.25: U7.17 81.04,93.38 v1(81.02,93.4)
  Bottom w0.25: U4.13 81.62,121.41 79.79,119.58 79.79,116.1 78.55,114.86 78.55,111.41 80.69,109.28 80.69,93.73 v1(81.02,93.4) 81.29,93.13 81.29,86.2 79.68,84.59 71.98,84.59 66.86,89.7 65.66,89.7 65,89.04 65,84.66 66.34,83.32
/PAD6: length 75.4
  Top w0.25: v1(80.02,86.75) 82.99,86.75 U7.14
  Bottom w0.25: v1(80.02,86.75) 79.69,87.08 79.69,108.63 77.52,110.8 76.88,110.8 76,111.68 76,114.76 77.25,116.01 77.25,119.71 79.08,121.55 U4.12 ; 66.34,80.78 70.52,76.6 79.51,76.6 81.46,78.56 81.46,83.24 U7.14
/PAD7: length 78.3
  Top w0.25: J5.57 74.71,115.82 76,114.53 76,111.7 76.68,111.02 82.59,111.02 v1(82.94,110.68)
  Bottom w0.25: U4.11 76.54,121.53 74.71,119.7 J5.57 ; 66.34,78.24 68.48,76.1 79.71,76.1 81.96,78.35 81.96,81.2 U7.13 86.16,85.4 86.16,107.51 82.99,110.68 v1(82.94,110.68)
/PPUCLK: length 4.9
  Bottom w0.25: 50.42,57.92 U6.18 50.68,57.92 C27.2
/R/~{W}: length 115.6
  Top w0.25: v1(34.43,85.86) U5.34
  Bottom w0.25: U5.34 41.75,85.86 46.42,90.53 46.42,92.02 48.3,93.9 48.3,98.3 U6.1 ; v1(34.43,85.86) 34.26,86.02 34.26,103.89 41.69,111.32 41.69,114.91 40.45,116.15 40.45,120.05 41.85,121.45 41.85,131.95 44.36,134.46 44.36,136.84 43.8,137.4 29.85,137.4 29.35,137.9 14.42,137.9 U3.27
/SND1: length 75.3
  Bottom w0.25: U5.1 24.68,106.02 21.7,109 8.01,109 5.7,111.31 5.7,119.6 8.3,122.2 8.3,141.2 10.4,143.3 17.23,143.3 R20.2 R21.2 R22.1
/SND2: length 70.5
  Bottom w0.25: R19.1 R18.2 R17.2 7.8,142.87 7.8,122.41 5.2,119.81 5.2,111.1 7.8,108.5 21.49,108.5 23.51,106.49 23.51,99.74 U5.2
/SND_I: length 16.2
  Bottom w0.25: JP3.1 51.62,108.68 48.5,109.8 47.1,109.8 45.5,111.4 45.5,114.95 44.23,116.22 J5.45
/SND_L: length 34.6
  Bottom w0.5: C3.2 32.26,178.73 arc(32.72,178.64) 33.11,178.38 33.17,178.32 arc(33.48,177.86) 33.59,177.31 33.59,176.68 arc(33.73,175.96) 34.14,175.35 arc(34.75,174.94) 35.47,174.8 35.78,174.8 arc(36.79,175) 37.65,175.57 R4.1 39.1,175.94 arc(39.69,175.54) 40.4,175.4 56.56,175.4 arc(59.2,175.85) 61.54,177.15 61.76,177.38 J3.1
/SND_O: length 40.8
  Bottom w0.25: 46.77,118.03 46.77,120.01 45.4,121.38 45.4,137.9 44.45,138.85 40.15,138.85 R25.1 R24.2 R23.2
/SND_R: length 26.2
  Bottom w0.5: 35.56,178.62 R3.1 ; 35.56,178.62 arc(35.28,179.99) 34.51,181.15 ; 35.56,178.62 arc(35.83,179.99) 36.61,181.15 ; J2.1 46.82,178.62 44.62,180.82 arc(43.09,181.84) 41.3,182.2 39.35,182.2 ; 34.51,181.15 C1.2 ; 34.51,181.15 arc(35.56,180.72) 36.61,181.15 ; 36.61,181.15 arc(37.77,181.93) 39.14,182.2
/VA10: length 17.4
  Bottom w0.25: J5.18 51.85,114.64 53.1,115.89 53.1,119.54 56.22,122.66 U4.3
/VOUT: length 14.4
  Bottom w0.5: 66.34,52.84 78.74,52.84 Q3.2
/~{IRQ}: length 173.3
  Top w0.25: RN2.7 56.8,16.33 56.8,18.2 57.6,19 73.75,19 v1(74.65,18.1) ; v1(44.25,106.33) v1(44.25,108.97)
  Bottom w0.25: U5.32 38.6,82.1 38.6,86.3 39.4,87.1 40.4,87.1 41.4,88.1 41.4,103.27 44.25,106.12 v1(44.25,106.33) ; RN2.7 57.39,13.14 59.71,13.14 J9.3 ; J5.15 44.23,108.99 v1(44.25,108.97) 44.52,108.7 48.12,108.7 56.36,100.46 56.36,64.91 62.56,58.71 62.56,51.81 64.48,49.9 65.6,49.9 71.7,43.8 71.7,34.6 75.88,30.42 75.88,24.9 76.42,24.35 76.42,22.75 75.92,22.25 75.92,21.39 75.42,20.89 75.42,18.88 v1(74.65,18.1)
/~{NMI}: length 74.2
  Bottom w0.25: U6.19 52.4,56.68 52.4,58.6 51.8,59.2 50.48,59.2 49.92,59.76 49.92,78.73 50.7,79.5 51.48,79.5 52.7,80.72 52.7,98.81 51.77,99.74 50.61,99.74 48.8,97.92 48.8,93.69 46.92,91.81 46.92,90.32 U5.33 40.86,82.38 R29.2
/~{OE1}: length 91.8
  Top w0.25: 20.35,17.9 24.16,21.71 24.16,28.32 25,29.16 27.78,29.16 v1(27.83,29.1) ; v1(36.89,90.94) U5.36
  Bottom w0.25: v1(36.89,90.94) 35.7,89.75 35.7,50.68 32.72,47.7 28.89,47.7 22.2,41.01 22.2,34.35 27.45,29.1 v1(27.83,29.1)
/~{OE2}: length 102.1
  Top w0.25: v1(37.31,88.35) 37.36,88.4 U5.35
  Bottom w0.25: U10.1 70.74,20.2 U10.15 ; v1(37.31,88.35) 36.7,87.74 36.7,50.89 40.69,46.9 64.36,46.9 68.7,42.56 68.7,33.36 69.51,32.54 69.51,26.51 70.39,25.63
/~{PPUSEL}: length 67.8
  Top w0.25: C23.2 U6.13 ; v1(42.15,53.97) 42.1,54.02 32.58,54.02 v1(32.5,54.1)
  Bottom w0.25: U8.11 17.86,77.04 C22.2 18.7,76.28 18.7,62.24 24.38,56.56 30.05,56.56 32.5,54.1 v1(32.5,54.1) ; C23.2 48.01,59.84 v1(42.15,53.97)
